# KiCad board BioAmp-EXG-Panel.kicad_pcb (continued)
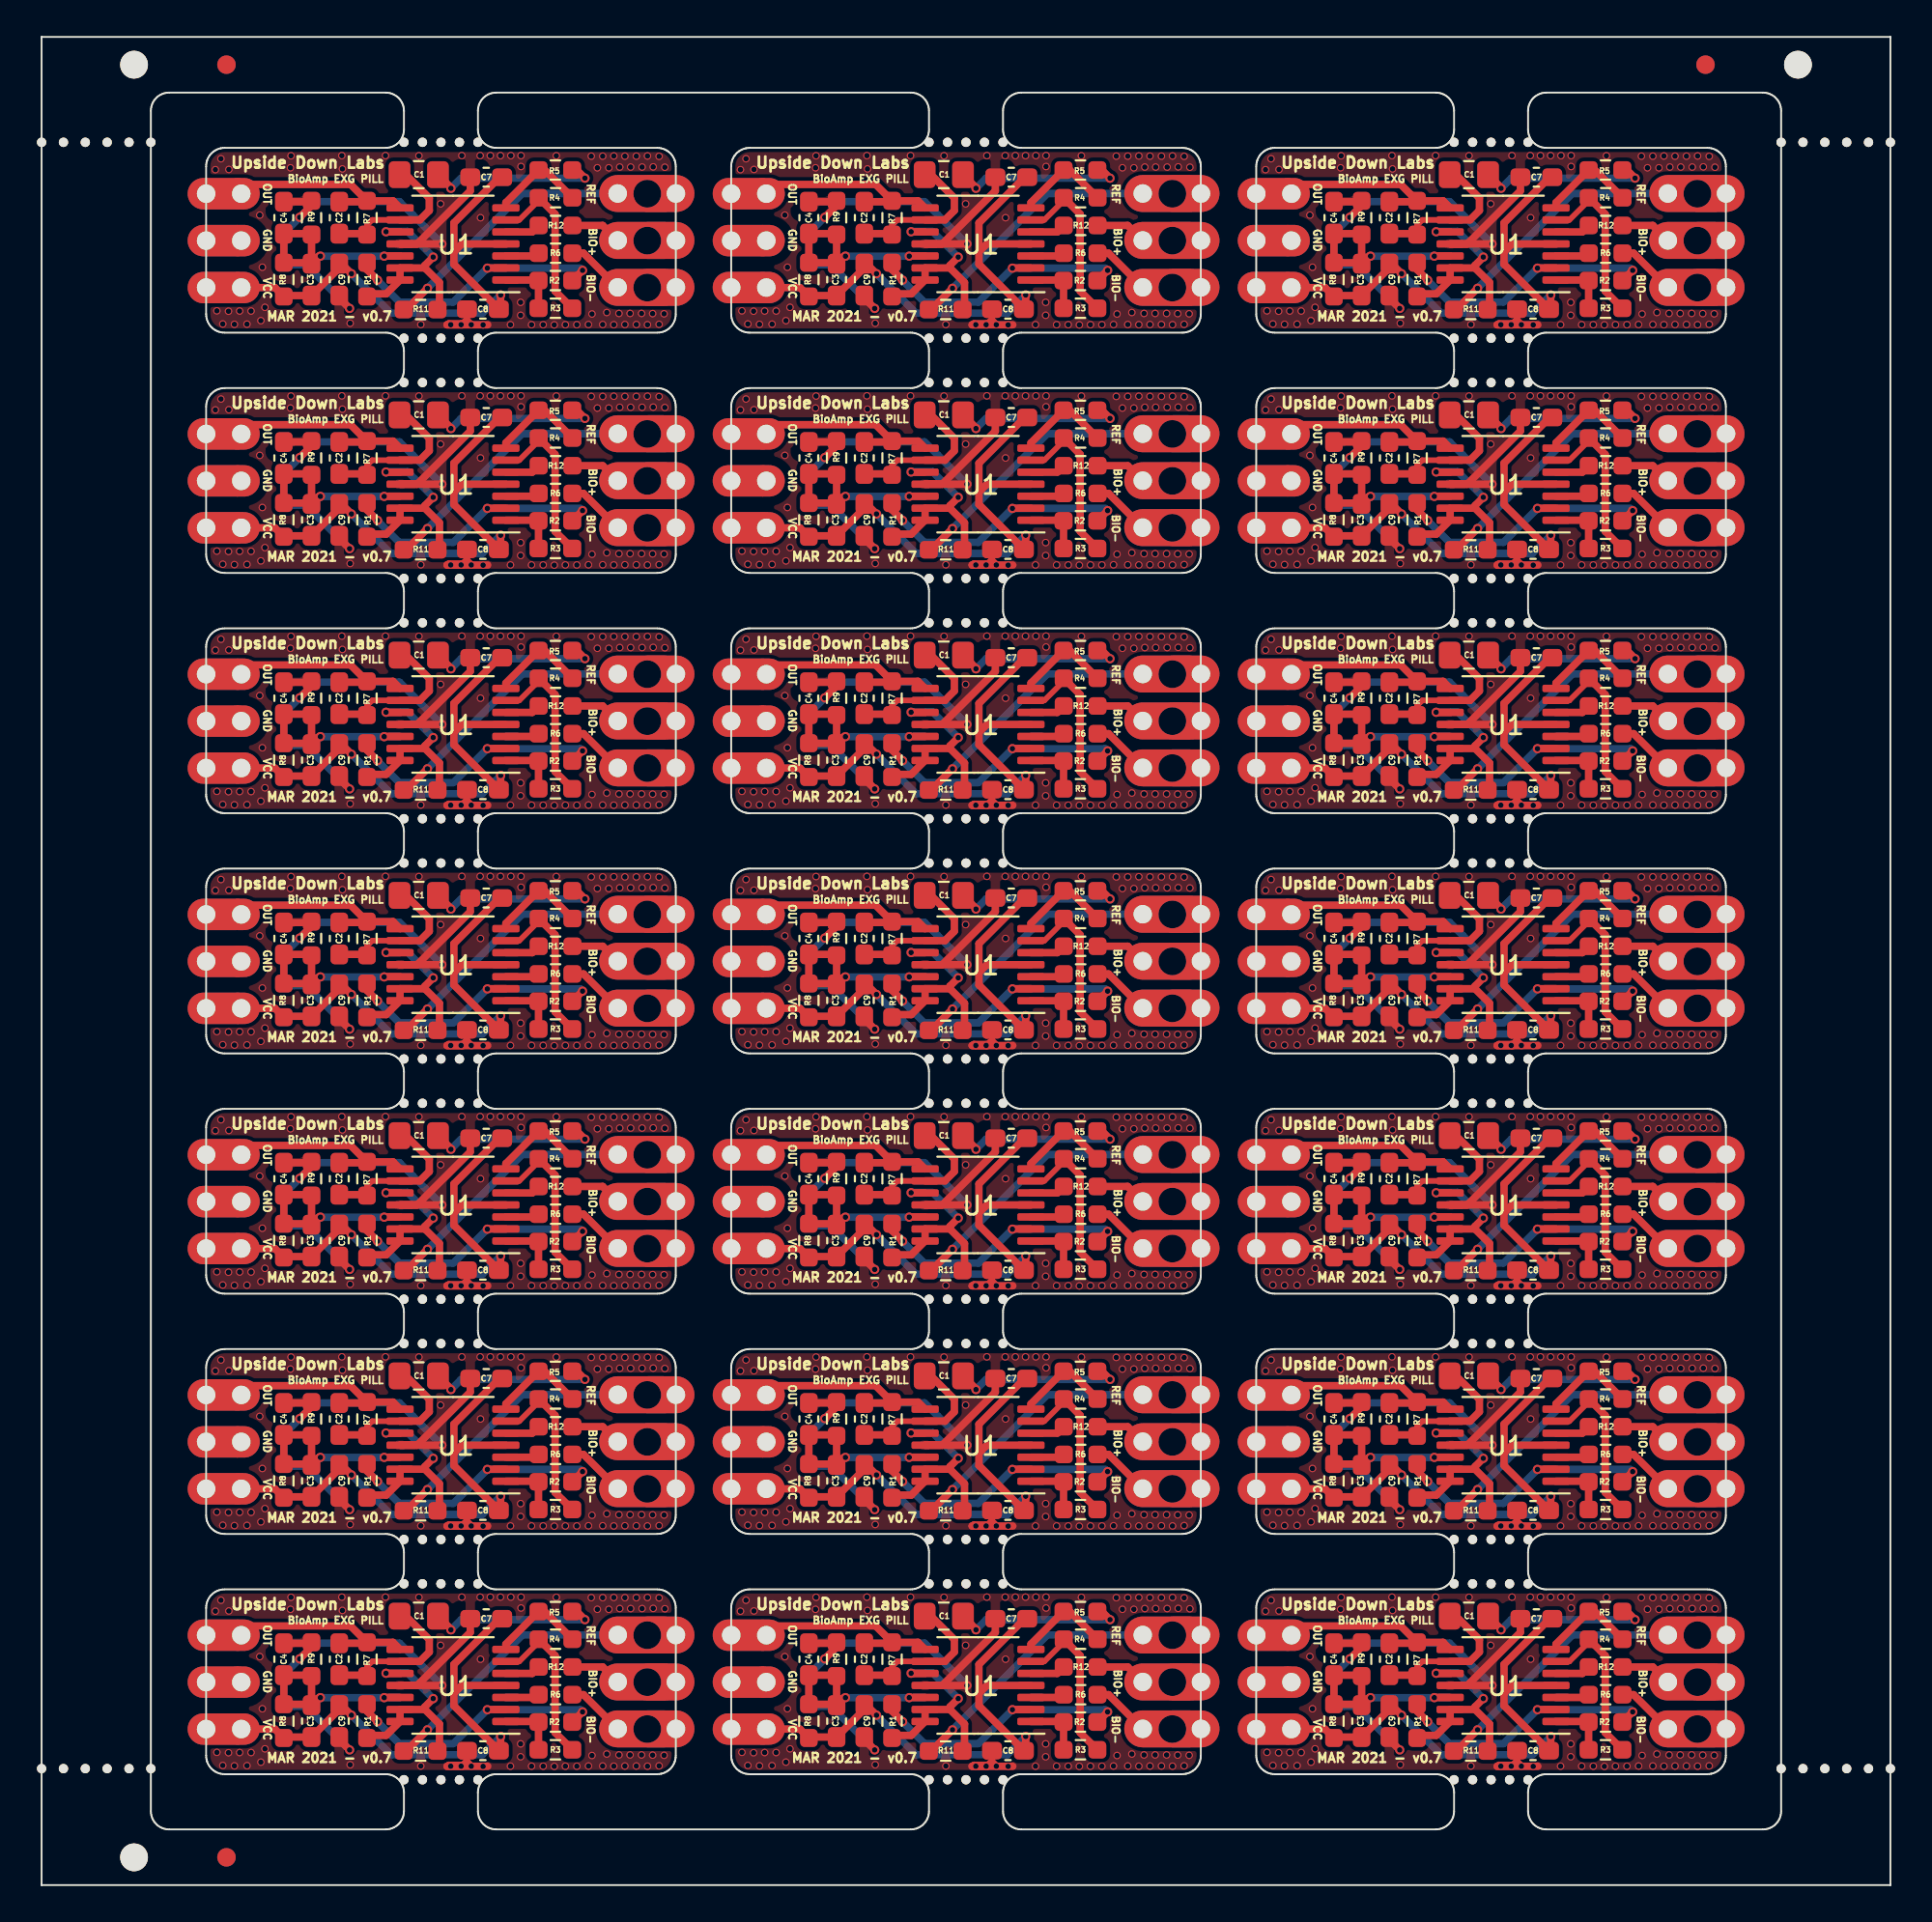
[diagram p0: board, top side]
## Placement (name value [footprint] x y rotation side) (continued)
J2#31  Conn_01x03  [PinHeader_1x03_P2.54mm_Vertical]  8.9 26.52 0 top
J2#32  Conn_01x03  [PinHeader_1x03_P2.54mm_Vertical#4]  10.8 26.52 0 top
J2#33  Conn_01x03  [PinHeader_1x03_P2.54mm_Vertical]  37.3 26.52 0 top
J2#34  Conn_01x03  [PinHeader_1x03_P2.54mm_Vertical#4]  39.2 26.52 0 top
J2#35  Conn_01x03  [PinHeader_1x03_P2.54mm_Vertical]  65.7 26.52 0 top
J2#36  Conn_01x03  [PinHeader_1x03_P2.54mm_Vertical#4]  67.6 26.52 0 top
J2#37  Conn_01x03  [PinHeader_1x03_P2.54mm_Vertical]  8.9 13.52 0 top
J2#38  Conn_01x03  [PinHeader_1x03_P2.54mm_Vertical#4]  10.8 13.52 0 top
J2#39  Conn_01x03  [PinHeader_1x03_P2.54mm_Vertical]  37.3 13.52 0 top
J2#40  Conn_01x03  [PinHeader_1x03_P2.54mm_Vertical#4]  39.2 13.52 0 top
J2#41  Conn_01x03  [PinHeader_1x03_P2.54mm_Vertical]  65.7 13.52 0 top
J2#42  Conn_01x03  [PinHeader_1x03_P2.54mm_Vertical#4]  67.6 13.52 0 top
NOREF  -  [buzzard_labels]  25.56 91.55 0 bottom
NOREF#2  -  [buzzard_labels]  25.15 86.42 0 bottom
NOREF#3  -  [buzzard_labels]  25.02 88.98 0 bottom
NOREF#4  -  [buzzard_labels]  12.2 86.5 0 bottom
NOREF#5  -  [buzzard_labels]  12.2 89 0 bottom
NOREF#6  -  [buzzard_labels]  12.21 91.55 0 bottom
NOREF#7  -  [buzzard_labels]  53.96 91.55 0 bottom
NOREF#8  -  [buzzard_labels]  53.55 86.42 0 bottom
NOREF#9  -  [buzzard_labels]  53.42 88.98 0 bottom
NOREF#10  -  [buzzard_labels]  40.6 86.5 0 bottom
NOREF#11  -  [buzzard_labels]  40.6 89 0 bottom
NOREF#12  -  [buzzard_labels]  40.61 91.55 0 bottom
NOREF#13  -  [buzzard_labels]  82.36 91.55 0 bottom
NOREF#14  -  [buzzard_labels]  81.95 86.42 0 bottom
NOREF#15  -  [buzzard_labels]  81.82 88.98 0 bottom
NOREF#16  -  [buzzard_labels]  69 86.5 0 bottom
NOREF#17  -  [buzzard_labels]  69 89 0 bottom
NOREF#18  -  [buzzard_labels]  69.01 91.55 0 bottom
NOREF#19  -  [buzzard_labels]  25.56 78.55 0 bottom
NOREF#20  -  [buzzard_labels]  25.15 73.42 0 bottom
NOREF#21  -  [buzzard_labels]  25.02 75.98 0 bottom
NOREF#22  -  [buzzard_labels]  12.2 73.5 0 bottom
NOREF#23  -  [buzzard_labels]  12.2 76 0 bottom
NOREF#24  -  [buzzard_labels]  12.21 78.55 0 bottom
NOREF#25  -  [buzzard_labels]  53.96 78.55 0 bottom
NOREF#26  -  [buzzard_labels]  53.55 73.42 0 bottom
NOREF#27  -  [buzzard_labels]  53.42 75.98 0 bottom
NOREF#28  -  [buzzard_labels]  40.6 73.5 0 bottom
NOREF#29  -  [buzzard_labels]  40.6 76 0 bottom
NOREF#30  -  [buzzard_labels]  40.61 78.55 0 bottom
NOREF#31  -  [buzzard_labels]  82.36 78.55 0 bottom
NOREF#32  -  [buzzard_labels]  81.95 73.42 0 bottom
NOREF#33  -  [buzzard_labels]  81.82 75.98 0 bottom
NOREF#34  -  [buzzard_labels]  69 73.5 0 bottom
NOREF#35  -  [buzzard_labels]  69 76 0 bottom
NOREF#36  -  [buzzard_labels]  69.01 78.55 0 bottom
NOREF#37  -  [buzzard_labels]  25.56 65.55 0 bottom
NOREF#38  -  [buzzard_labels]  25.15 60.42 0 bottom
NOREF#39  -  [buzzard_labels]  25.02 62.98 0 bottom
NOREF#40  -  [buzzard_labels]  12.2 60.5 0 bottom
NOREF#41  -  [buzzard_labels]  12.2 63 0 bottom
NOREF#42  -  [buzzard_labels]  12.21 65.55 0 bottom
NOREF#43  -  [buzzard_labels]  53.96 65.55 0 bottom
NOREF#44  -  [buzzard_labels]  53.55 60.42 0 bottom
NOREF#45  -  [buzzard_labels]  53.42 62.98 0 bottom
NOREF#46  -  [buzzard_labels]  40.6 60.5 0 bottom
NOREF#47  -  [buzzard_labels]  40.6 63 0 bottom
NOREF#48  -  [buzzard_labels]  40.61 65.55 0 bottom
NOREF#49  -  [buzzard_labels]  82.36 65.55 0 bottom
NOREF#50  -  [buzzard_labels]  81.95 60.42 0 bottom
NOREF#51  -  [buzzard_labels]  81.82 62.98 0 bottom
NOREF#52  -  [buzzard_labels]  69 60.5 0 bottom
NOREF#53  -  [buzzard_labels]  69 63 0 bottom
NOREF#54  -  [buzzard_labels]  69.01 65.55 0 bottom
NOREF#55  -  [buzzard_labels]  25.56 52.55 0 bottom
NOREF#56  -  [buzzard_labels]  25.15 47.42 0 bottom
NOREF#57  -  [buzzard_labels]  25.02 49.98 0 bottom
NOREF#58  -  [buzzard_labels]  12.2 47.5 0 bottom
NOREF#59  -  [buzzard_labels]  12.2 50 0 bottom
NOREF#60  -  [buzzard_labels]  12.21 52.55 0 bottom
NOREF#61  -  [buzzard_labels]  53.96 52.55 0 bottom
NOREF#62  -  [buzzard_labels]  53.55 47.42 0 bottom
NOREF#63  -  [buzzard_labels]  53.42 49.98 0 bottom
NOREF#64  -  [buzzard_labels]  40.6 47.5 0 bottom
NOREF#65  -  [buzzard_labels]  40.6 50 0 bottom
NOREF#66  -  [buzzard_labels]  40.61 52.55 0 bottom
NOREF#67  -  [buzzard_labels]  82.36 52.55 0 bottom
NOREF#68  -  [buzzard_labels]  81.95 47.42 0 bottom
NOREF#69  -  [buzzard_labels]  81.82 49.98 0 bottom
NOREF#70  -  [buzzard_labels]  69 47.5 0 bottom
NOREF#71  -  [buzzard_labels]  69 50 0 bottom
NOREF#72  -  [buzzard_labels]  69.01 52.55 0 bottom
NOREF#73  -  [buzzard_labels]  25.56 39.55 0 bottom
NOREF#74  -  [buzzard_labels]  25.15 34.42 0 bottom
NOREF#75  -  [buzzard_labels]  25.02 36.98 0 bottom
NOREF#76  -  [buzzard_labels]  12.2 34.5 0 bottom
NOREF#77  -  [buzzard_labels]  12.2 37 0 bottom
NOREF#78  -  [buzzard_labels]  12.21 39.55 0 bottom
NOREF#79  -  [buzzard_labels]  53.96 39.55 0 bottom
NOREF#80  -  [buzzard_labels]  53.55 34.42 0 bottom
NOREF#81  -  [buzzard_labels]  53.42 36.98 0 bottom
NOREF#82  -  [buzzard_labels]  40.6 34.5 0 bottom
NOREF#83  -  [buzzard_labels]  40.6 37 0 bottom
NOREF#84  -  [buzzard_labels]  40.61 39.55 0 bottom
NOREF#85  -  [buzzard_labels]  82.36 39.55 0 bottom
NOREF#86  -  [buzzard_labels]  81.95 34.42 0 bottom
NOREF#87  -  [buzzard_labels]  81.82 36.98 0 bottom
NOREF#88  -  [buzzard_labels]  69 34.5 0 bottom
NOREF#89  -  [buzzard_labels]  69 37 0 bottom
NOREF#90  -  [buzzard_labels]  69.01 39.55 0 bottom
NOREF#91  -  [buzzard_labels]  25.56 26.55 0 bottom
NOREF#92  -  [buzzard_labels]  25.15 21.42 0 bottom
NOREF#93  -  [buzzard_labels]  25.02 23.98 0 bottom
NOREF#94  -  [buzzard_labels]  12.2 21.5 0 bottom
NOREF#95  -  [buzzard_labels]  12.2 24 0 bottom
NOREF#96  -  [buzzard_labels]  12.21 26.55 0 bottom
NOREF#97  -  [buzzard_labels]  53.96 26.55 0 bottom
NOREF#98  -  [buzzard_labels]  53.55 21.42 0 bottom
NOREF#99  -  [buzzard_labels]  53.42 23.98 0 bottom
NOREF#100  -  [buzzard_labels]  40.6 21.5 0 bottom
NOREF#101  -  [buzzard_labels]  40.6 24 0 bottom
NOREF#102  -  [buzzard_labels]  40.61 26.55 0 bottom
NOREF#103  -  [buzzard_labels]  82.36 26.55 0 bottom
NOREF#104  -  [buzzard_labels]  81.95 21.42 0 bottom
NOREF#105  -  [buzzard_labels]  81.82 23.98 0 bottom
NOREF#106  -  [buzzard_labels]  69 21.5 0 bottom
NOREF#107  -  [buzzard_labels]  69 24 0 bottom
NOREF#108  -  [buzzard_labels]  69.01 26.55 0 bottom
NOREF#109  -  [buzzard_labels]  25.56 13.55 0 bottom
NOREF#110  -  [buzzard_labels]  25.15 8.42 0 bottom
NOREF#111  -  [buzzard_labels]  25.02 10.98 0 bottom
NOREF#112  -  [buzzard_labels]  12.2 8.5 0 bottom
NOREF#113  -  [buzzard_labels]  12.2 11 0 bottom
NOREF#114  -  [buzzard_labels]  12.21 13.55 0 bottom
NOREF#115  -  [buzzard_labels]  53.96 13.55 0 bottom
NOREF#116  -  [buzzard_labels]  53.55 8.42 0 bottom
NOREF#117  -  [buzzard_labels]  53.42 10.98 0 bottom
NOREF#118  -  [buzzard_labels]  40.6 8.5 0 bottom
NOREF#119  -  [buzzard_labels]  40.6 11 0 bottom
NOREF#120  -  [buzzard_labels]  40.61 13.55 0 bottom
NOREF#121  -  [buzzard_labels]  82.36 13.55 0 bottom
NOREF#122  -  [buzzard_labels]  81.95 8.42 0 bottom
NOREF#123  -  [buzzard_labels]  81.82 10.98 0 bottom
NOREF#124  -  [buzzard_labels]  69 8.5 0 bottom
NOREF#125  -  [buzzard_labels]  69 11 0 bottom
NOREF#126  -  [buzzard_labels]  69.01 13.55 0 bottom
R1  10k  [R_0603_1608Metric_Pad0.98x0.95mm_HandSolder]  17.6 86.87 270 top
R1#2  10k  [R_0603_1608Metric_Pad0.98x0.95mm_HandSolder]  46 86.87 270 top
R1#3  10k  [R_0603_1608Metric_Pad0.98x0.95mm_HandSolder]  74.4 86.87 270 top
R1#4  10k  [R_0603_1608Metric_Pad0.98x0.95mm_HandSolder]  17.6 73.87 270 top
R1#5  10k  [R_0603_1608Metric_Pad0.98x0.95mm_HandSolder]  46 73.87 270 top
R1#6  10k  [R_0603_1608Metric_Pad0.98x0.95mm_HandSolder]  74.4 73.87 270 top
R1#7  10k  [R_0603_1608Metric_Pad0.98x0.95mm_HandSolder]  17.6 60.87 270 top
R1#8  10k  [R_0603_1608Metric_Pad0.98x0.95mm_HandSolder]  46 60.87 270 top
R1#9  10k  [R_0603_1608Metric_Pad0.98x0.95mm_HandSolder]  74.4 60.87 270 top
R1#10  10k  [R_0603_1608Metric_Pad0.98x0.95mm_HandSolder]  17.6 47.87 270 top
R1#11  10k  [R_0603_1608Metric_Pad0.98x0.95mm_HandSolder]  46 47.87 270 top
R1#12  10k  [R_0603_1608Metric_Pad0.98x0.95mm_HandSolder]  74.4 47.87 270 top
R1#13  10k  [R_0603_1608Metric_Pad0.98x0.95mm_HandSolder]  17.6 34.87 270 top
R1#14  10k  [R_0603_1608Metric_Pad0.98x0.95mm_HandSolder]  46 34.87 270 top
R1#15  10k  [R_0603_1608Metric_Pad0.98x0.95mm_HandSolder]  74.4 34.87 270 top
R1#16  10k  [R_0603_1608Metric_Pad0.98x0.95mm_HandSolder]  17.6 21.87 270 top
R1#17  10k  [R_0603_1608Metric_Pad0.98x0.95mm_HandSolder]  46 21.87 270 top
R1#18  10k  [R_0603_1608Metric_Pad0.98x0.95mm_HandSolder]  74.4 21.87 270 top
R1#19  10k  [R_0603_1608Metric_Pad0.98x0.95mm_HandSolder]  17.6 8.87 270 top
R1#20  10k  [R_0603_1608Metric_Pad0.98x0.95mm_HandSolder]  46 8.87 270 top
R1#21  10k  [R_0603_1608Metric_Pad0.98x0.95mm_HandSolder]  74.4 8.87 270 top
R2  1k  [R_0603_1608Metric_Pad0.98x0.95mm_HandSolder]  27.79 86.82 0 top
R2#2  1k  [R_0603_1608Metric_Pad0.98x0.95mm_HandSolder]  56.19 86.82 0 top
R2#3  1k  [R_0603_1608Metric_Pad0.98x0.95mm_HandSolder]  84.59 86.82 0 top
R2#4  1k  [R_0603_1608Metric_Pad0.98x0.95mm_HandSolder]  27.79 73.82 0 top
R2#5  1k  [R_0603_1608Metric_Pad0.98x0.95mm_HandSolder]  56.19 73.82 0 top
R2#6  1k  [R_0603_1608Metric_Pad0.98x0.95mm_HandSolder]  84.59 73.82 0 top
R2#7  1k  [R_0603_1608Metric_Pad0.98x0.95mm_HandSolder]  27.79 60.82 0 top
R2#8  1k  [R_0603_1608Metric_Pad0.98x0.95mm_HandSolder]  56.19 60.82 0 top
R2#9  1k  [R_0603_1608Metric_Pad0.98x0.95mm_HandSolder]  84.59 60.82 0 top
R2#10  1k  [R_0603_1608Metric_Pad0.98x0.95mm_HandSolder]  27.79 47.82 0 top
R2#11  1k  [R_0603_1608Metric_Pad0.98x0.95mm_HandSolder]  56.19 47.82 0 top
R2#12  1k  [R_0603_1608Metric_Pad0.98x0.95mm_HandSolder]  84.59 47.82 0 top
R2#13  1k  [R_0603_1608Metric_Pad0.98x0.95mm_HandSolder]  27.79 34.82 0 top
R2#14  1k  [R_0603_1608Metric_Pad0.98x0.95mm_HandSolder]  56.19 34.82 0 top
R2#15  1k  [R_0603_1608Metric_Pad0.98x0.95mm_HandSolder]  84.59 34.82 0 top
R2#16  1k  [R_0603_1608Metric_Pad0.98x0.95mm_HandSolder]  27.79 21.82 0 top
R2#17  1k  [R_0603_1608Metric_Pad0.98x0.95mm_HandSolder]  56.19 21.82 0 top
R2#18  1k  [R_0603_1608Metric_Pad0.98x0.95mm_HandSolder]  84.59 21.82 0 top
R2#19  1k  [R_0603_1608Metric_Pad0.98x0.95mm_HandSolder]  27.79 8.82 0 top
R2#20  1k  [R_0603_1608Metric_Pad0.98x0.95mm_HandSolder]  56.19 8.82 0 top
R2#21  1k  [R_0603_1608Metric_Pad0.98x0.95mm_HandSolder]  84.59 8.82 0 top
R3  1k  [R_0603_1608Metric_Pad0.98x0.95mm_HandSolder]  27.79 85.32 180 top
R3#2  1k  [R_0603_1608Metric_Pad0.98x0.95mm_HandSolder]  56.19 85.32 180 top
R3#3  1k  [R_0603_1608Metric_Pad0.98x0.95mm_HandSolder]  84.59 85.32 180 top
R3#4  1k  [R_0603_1608Metric_Pad0.98x0.95mm_HandSolder]  27.79 72.32 180 top
R3#5  1k  [R_0603_1608Metric_Pad0.98x0.95mm_HandSolder]  56.19 72.32 180 top
R3#6  1k  [R_0603_1608Metric_Pad0.98x0.95mm_HandSolder]  84.59 72.32 180 top
R3#7  1k  [R_0603_1608Metric_Pad0.98x0.95mm_HandSolder]  27.79 59.32 180 top
R3#8  1k  [R_0603_1608Metric_Pad0.98x0.95mm_HandSolder]  56.19 59.32 180 top
R3#9  1k  [R_0603_1608Metric_Pad0.98x0.95mm_HandSolder]  84.59 59.32 180 top
R3#10  1k  [R_0603_1608Metric_Pad0.98x0.95mm_HandSolder]  27.79 46.32 180 top
R3#11  1k  [R_0603_1608Metric_Pad0.98x0.95mm_HandSolder]  56.19 46.32 180 top
R3#12  1k  [R_0603_1608Metric_Pad0.98x0.95mm_HandSolder]  84.59 46.32 180 top
R3#13  1k  [R_0603_1608Metric_Pad0.98x0.95mm_HandSolder]  27.79 33.32 180 top
R3#14  1k  [R_0603_1608Metric_Pad0.98x0.95mm_HandSolder]  56.19 33.32 180 top
R3#15  1k  [R_0603_1608Metric_Pad0.98x0.95mm_HandSolder]  84.59 33.32 180 top
R3#16  1k  [R_0603_1608Metric_Pad0.98x0.95mm_HandSolder]  27.79 20.32 180 top
R3#17  1k  [R_0603_1608Metric_Pad0.98x0.95mm_HandSolder]  56.19 20.32 180 top
R3#18  1k  [R_0603_1608Metric_Pad0.98x0.95mm_HandSolder]  84.59 20.32 180 top
R3#19  1k  [R_0603_1608Metric_Pad0.98x0.95mm_HandSolder]  27.79 7.32 180 top
R3#20  1k  [R_0603_1608Metric_Pad0.98x0.95mm_HandSolder]  56.19 7.32 180 top
R3#21  1k  [R_0603_1608Metric_Pad0.98x0.95mm_HandSolder]  84.59 7.32 180 top
R4  10k  [R_0603_1608Metric_Pad0.98x0.95mm_HandSolder]  27.8 91.3 180 top
R4#2  10k  [R_0603_1608Metric_Pad0.98x0.95mm_HandSolder]  56.2 91.3 180 top
R4#3  10k  [R_0603_1608Metric_Pad0.98x0.95mm_HandSolder]  84.6 91.3 180 top
R4#4  10k  [R_0603_1608Metric_Pad0.98x0.95mm_HandSolder]  27.8 78.3 180 top
R4#5  10k  [R_0603_1608Metric_Pad0.98x0.95mm_HandSolder]  56.2 78.3 180 top
R4#6  10k  [R_0603_1608Metric_Pad0.98x0.95mm_HandSolder]  84.6 78.3 180 top
R4#7  10k  [R_0603_1608Metric_Pad0.98x0.95mm_HandSolder]  27.8 65.3 180 top
R4#8  10k  [R_0603_1608Metric_Pad0.98x0.95mm_HandSolder]  56.2 65.3 180 top
R4#9  10k  [R_0603_1608Metric_Pad0.98x0.95mm_HandSolder]  84.6 65.3 180 top
R4#10  10k  [R_0603_1608Metric_Pad0.98x0.95mm_HandSolder]  27.8 52.3 180 top
R4#11  10k  [R_0603_1608Metric_Pad0.98x0.95mm_HandSolder]  56.2 52.3 180 top
R4#12  10k  [R_0603_1608Metric_Pad0.98x0.95mm_HandSolder]  84.6 52.3 180 top
R4#13  10k  [R_0603_1608Metric_Pad0.98x0.95mm_HandSolder]  27.8 39.3 180 top
R4#14  10k  [R_0603_1608Metric_Pad0.98x0.95mm_HandSolder]  56.2 39.3 180 top
R4#15  10k  [R_0603_1608Metric_Pad0.98x0.95mm_HandSolder]  84.6 39.3 180 top
R4#16  10k  [R_0603_1608Metric_Pad0.98x0.95mm_HandSolder]  27.8 26.3 180 top
R4#17  10k  [R_0603_1608Metric_Pad0.98x0.95mm_HandSolder]  56.2 26.3 180 top
R4#18  10k  [R_0603_1608Metric_Pad0.98x0.95mm_HandSolder]  84.6 26.3 180 top
R4#19  10k  [R_0603_1608Metric_Pad0.98x0.95mm_HandSolder]  27.8 13.3 180 top
R4#20  10k  [R_0603_1608Metric_Pad0.98x0.95mm_HandSolder]  56.2 13.3 180 top
R4#21  10k  [R_0603_1608Metric_Pad0.98x0.95mm_HandSolder]  84.6 13.3 180 top
R5  1k  [R_0603_1608Metric_Pad0.98x0.95mm_HandSolder]  27.79 92.8 180 top
R5#2  1k  [R_0603_1608Metric_Pad0.98x0.95mm_HandSolder]  56.19 92.8 180 top
R5#3  1k  [R_0603_1608Metric_Pad0.98x0.95mm_HandSolder]  84.59 92.8 180 top
R5#4  1k  [R_0603_1608Metric_Pad0.98x0.95mm_HandSolder]  27.79 79.8 180 top
R5#5  1k  [R_0603_1608Metric_Pad0.98x0.95mm_HandSolder]  56.19 79.8 180 top
R5#6  1k  [R_0603_1608Metric_Pad0.98x0.95mm_HandSolder]  84.59 79.8 180 top
R5#7  1k  [R_0603_1608Metric_Pad0.98x0.95mm_HandSolder]  27.79 66.8 180 top
R5#8  1k  [R_0603_1608Metric_Pad0.98x0.95mm_HandSolder]  56.19 66.8 180 top
R5#9  1k  [R_0603_1608Metric_Pad0.98x0.95mm_HandSolder]  84.59 66.8 180 top
R5#10  1k  [R_0603_1608Metric_Pad0.98x0.95mm_HandSolder]  27.79 53.8 180 top
R5#11  1k  [R_0603_1608Metric_Pad0.98x0.95mm_HandSolder]  56.19 53.8 180 top
R5#12  1k  [R_0603_1608Metric_Pad0.98x0.95mm_HandSolder]  84.59 53.8 180 top
R5#13  1k  [R_0603_1608Metric_Pad0.98x0.95mm_HandSolder]  27.79 40.8 180 top
R5#14  1k  [R_0603_1608Metric_Pad0.98x0.95mm_HandSolder]  56.19 40.8 180 top
R5#15  1k  [R_0603_1608Metric_Pad0.98x0.95mm_HandSolder]  84.59 40.8 180 top
R5#16  1k  [R_0603_1608Metric_Pad0.98x0.95mm_HandSolder]  27.79 27.8 180 top
R5#17  1k  [R_0603_1608Metric_Pad0.98x0.95mm_HandSolder]  56.19 27.8 180 top
R5#18  1k  [R_0603_1608Metric_Pad0.98x0.95mm_HandSolder]  84.59 27.8 180 top
R5#19  1k  [R_0603_1608Metric_Pad0.98x0.95mm_HandSolder]  27.79 14.8 180 top
R5#20  1k  [R_0603_1608Metric_Pad0.98x0.95mm_HandSolder]  56.19 14.8 180 top
R5#21  1k  [R_0603_1608Metric_Pad0.98x0.95mm_HandSolder]  84.59 14.8 180 top
R6  100k  [R_0603_1608Metric_Pad0.98x0.95mm_HandSolder]  27.8 88.3 0 top
R6#2  100k  [R_0603_1608Metric_Pad0.98x0.95mm_HandSolder]  56.2 88.3 0 top
R6#3  100k  [R_0603_1608Metric_Pad0.98x0.95mm_HandSolder]  84.6 88.3 0 top
R6#4  100k  [R_0603_1608Metric_Pad0.98x0.95mm_HandSolder]  27.8 75.3 0 top
R6#5  100k  [R_0603_1608Metric_Pad0.98x0.95mm_HandSolder]  56.2 75.3 0 top
R6#6  100k  [R_0603_1608Metric_Pad0.98x0.95mm_HandSolder]  84.6 75.3 0 top
R6#7  100k  [R_0603_1608Metric_Pad0.98x0.95mm_HandSolder]  27.8 62.3 0 top
R6#8  100k  [R_0603_1608Metric_Pad0.98x0.95mm_HandSolder]  56.2 62.3 0 top
R6#9  100k  [R_0603_1608Metric_Pad0.98x0.95mm_HandSolder]  84.6 62.3 0 top
R6#10  100k  [R_0603_1608Metric_Pad0.98x0.95mm_HandSolder]  27.8 49.3 0 top
R6#11  100k  [R_0603_1608Metric_Pad0.98x0.95mm_HandSolder]  56.2 49.3 0 top
R6#12  100k  [R_0603_1608Metric_Pad0.98x0.95mm_HandSolder]  84.6 49.3 0 top
R6#13  100k  [R_0603_1608Metric_Pad0.98x0.95mm_HandSolder]  27.8 36.3 0 top
R6#14  100k  [R_0603_1608Metric_Pad0.98x0.95mm_HandSolder]  56.2 36.3 0 top
R6#15  100k  [R_0603_1608Metric_Pad0.98x0.95mm_HandSolder]  84.6 36.3 0 top
R6#16  100k  [R_0603_1608Metric_Pad0.98x0.95mm_HandSolder]  27.8 23.3 0 top
R6#17  100k  [R_0603_1608Metric_Pad0.98x0.95mm_HandSolder]  56.2 23.3 0 top
R6#18  100k  [R_0603_1608Metric_Pad0.98x0.95mm_HandSolder]  84.6 23.3 0 top
R6#19  100k  [R_0603_1608Metric_Pad0.98x0.95mm_HandSolder]  27.8 10.3 0 top
R6#20  100k  [R_0603_1608Metric_Pad0.98x0.95mm_HandSolder]  56.2 10.3 0 top
R6#21  100k  [R_0603_1608Metric_Pad0.98x0.95mm_HandSolder]  84.6 10.3 0 top
R7  1M  [R_0603_1608Metric_Pad0.98x0.95mm_HandSolder]  17.6 90.22 270 top
R7#2  1M  [R_0603_1608Metric_Pad0.98x0.95mm_HandSolder]  46 90.22 270 top
R7#3  1M  [R_0603_1608Metric_Pad0.98x0.95mm_HandSolder]  74.4 90.22 270 top
R7#4  1M  [R_0603_1608Metric_Pad0.98x0.95mm_HandSolder]  17.6 77.22 270 top
R7#5  1M  [R_0603_1608Metric_Pad0.98x0.95mm_HandSolder]  46 77.22 270 top
R7#6  1M  [R_0603_1608Metric_Pad0.98x0.95mm_HandSolder]  74.4 77.22 270 top
R7#7  1M  [R_0603_1608Metric_Pad0.98x0.95mm_HandSolder]  17.6 64.22 270 top
R7#8  1M  [R_0603_1608Metric_Pad0.98x0.95mm_HandSolder]  46 64.22 270 top
R7#9  1M  [R_0603_1608Metric_Pad0.98x0.95mm_HandSolder]  74.4 64.22 270 top
R7#10  1M  [R_0603_1608Metric_Pad0.98x0.95mm_HandSolder]  17.6 51.22 270 top
R7#11  1M  [R_0603_1608Metric_Pad0.98x0.95mm_HandSolder]  46 51.22 270 top
R7#12  1M  [R_0603_1608Metric_Pad0.98x0.95mm_HandSolder]  74.4 51.22 270 top
R7#13  1M  [R_0603_1608Metric_Pad0.98x0.95mm_HandSolder]  17.6 38.22 270 top
R7#14  1M  [R_0603_1608Metric_Pad0.98x0.95mm_HandSolder]  46 38.22 270 top
R7#15  1M  [R_0603_1608Metric_Pad0.98x0.95mm_HandSolder]  74.4 38.22 270 top
R7#16  1M  [R_0603_1608Metric_Pad0.98x0.95mm_HandSolder]  17.6 25.22 270 top
R7#17  1M  [R_0603_1608Metric_Pad0.98x0.95mm_HandSolder]  46 25.22 270 top
R7#18  1M  [R_0603_1608Metric_Pad0.98x0.95mm_HandSolder]  74.4 25.22 270 top
R7#19  1M  [R_0603_1608Metric_Pad0.98x0.95mm_HandSolder]  17.6 12.22 270 top
R7#20  1M  [R_0603_1608Metric_Pad0.98x0.95mm_HandSolder]  46 12.22 270 top
R7#21  1M  [R_0603_1608Metric_Pad0.98x0.95mm_HandSolder]  74.4 12.22 270 top
R8  10k  [R_0603_1608Metric_Pad0.98x0.95mm_HandSolder]  13.1 86.87 270 top
R8#2  10k  [R_0603_1608Metric_Pad0.98x0.95mm_HandSolder]  41.5 86.87 270 top
R8#3  10k  [R_0603_1608Metric_Pad0.98x0.95mm_HandSolder]  69.9 86.87 270 top
R8#4  10k  [R_0603_1608Metric_Pad0.98x0.95mm_HandSolder]  13.1 73.87 270 top
R8#5  10k  [R_0603_1608Metric_Pad0.98x0.95mm_HandSolder]  41.5 73.87 270 top
R8#6  10k  [R_0603_1608Metric_Pad0.98x0.95mm_HandSolder]  69.9 73.87 270 top
R8#7  10k  [R_0603_1608Metric_Pad0.98x0.95mm_HandSolder]  13.1 60.87 270 top
R8#8  10k  [R_0603_1608Metric_Pad0.98x0.95mm_HandSolder]  41.5 60.87 270 top
R8#9  10k  [R_0603_1608Metric_Pad0.98x0.95mm_HandSolder]  69.9 60.87 270 top
R8#10  10k  [R_0603_1608Metric_Pad0.98x0.95mm_HandSolder]  13.1 47.87 270 top
R8#11  10k  [R_0603_1608Metric_Pad0.98x0.95mm_HandSolder]  41.5 47.87 270 top
R8#12  10k  [R_0603_1608Metric_Pad0.98x0.95mm_HandSolder]  69.9 47.87 270 top
R8#13  10k  [R_0603_1608Metric_Pad0.98x0.95mm_HandSolder]  13.1 34.87 270 top
R8#14  10k  [R_0603_1608Metric_Pad0.98x0.95mm_HandSolder]  41.5 34.87 270 top
R8#15  10k  [R_0603_1608Metric_Pad0.98x0.95mm_HandSolder]  69.9 34.87 270 top
R8#16  10k  [R_0603_1608Metric_Pad0.98x0.95mm_HandSolder]  13.1 21.87 270 top
R8#17  10k  [R_0603_1608Metric_Pad0.98x0.95mm_HandSolder]  41.5 21.87 270 top
R8#18  10k  [R_0603_1608Metric_Pad0.98x0.95mm_HandSolder]  69.9 21.87 270 top
R8#19  10k  [R_0603_1608Metric_Pad0.98x0.95mm_HandSolder]  13.1 8.87 270 top
R8#20  10k  [R_0603_1608Metric_Pad0.98x0.95mm_HandSolder]  41.5 8.87 270 top
R8#21  10k  [R_0603_1608Metric_Pad0.98x0.95mm_HandSolder]  69.9 8.87 270 top
R9  10k  [R_0603_1608Metric_Pad0.98x0.95mm_HandSolder]  14.6 90.22 270 top
R9#2  10k  [R_0603_1608Metric_Pad0.98x0.95mm_HandSolder]  43 90.22 270 top
R9#3  10k  [R_0603_1608Metric_Pad0.98x0.95mm_HandSolder]  71.4 90.22 270 top
R9#4  10k  [R_0603_1608Metric_Pad0.98x0.95mm_HandSolder]  14.6 77.22 270 top
R9#5  10k  [R_0603_1608Metric_Pad0.98x0.95mm_HandSolder]  43 77.22 270 top
R9#6  10k  [R_0603_1608Metric_Pad0.98x0.95mm_HandSolder]  71.4 77.22 270 top
R9#7  10k  [R_0603_1608Metric_Pad0.98x0.95mm_HandSolder]  14.6 64.22 270 top
R9#8  10k  [R_0603_1608Metric_Pad0.98x0.95mm_HandSolder]  43 64.22 270 top
R9#9  10k  [R_0603_1608Metric_Pad0.98x0.95mm_HandSolder]  71.4 64.22 270 top
R9#10  10k  [R_0603_1608Metric_Pad0.98x0.95mm_HandSolder]  14.6 51.22 270 top
R9#11  10k  [R_0603_1608Metric_Pad0.98x0.95mm_HandSolder]  43 51.22 270 top
R9#12  10k  [R_0603_1608Metric_Pad0.98x0.95mm_HandSolder]  71.4 51.22 270 top
R9#13  10k  [R_0603_1608Metric_Pad0.98x0.95mm_HandSolder]  14.6 38.22 270 top
R9#14  10k  [R_0603_1608Metric_Pad0.98x0.95mm_HandSolder]  43 38.22 270 top
R9#15  10k  [R_0603_1608Metric_Pad0.98x0.95mm_HandSolder]  71.4 38.22 270 top
R9#16  10k  [R_0603_1608Metric_Pad0.98x0.95mm_HandSolder]  14.6 25.22 270 top
R9#17  10k  [R_0603_1608Metric_Pad0.98x0.95mm_HandSolder]  43 25.22 270 top
R9#18  10k  [R_0603_1608Metric_Pad0.98x0.95mm_HandSolder]  71.4 25.22 270 top
R9#19  10k  [R_0603_1608Metric_Pad0.98x0.95mm_HandSolder]  14.6 12.22 270 top
R9#20  10k  [R_0603_1608Metric_Pad0.98x0.95mm_HandSolder]  43 12.22 270 top
R9#21  10k  [R_0603_1608Metric_Pad0.98x0.95mm_HandSolder]  71.4 12.22 270 top
R11  100k  [R_0603_1608Metric_Pad0.98x0.95mm_HandSolder]  20.5 85.25 0 top
R11#2  100k  [R_0603_1608Metric_Pad0.98x0.95mm_HandSolder]  48.9 85.25 0 top
R11#3  100k  [R_0603_1608Metric_Pad0.98x0.95mm_HandSolder]  77.3 85.25 0 top
R11#4  100k  [R_0603_1608Metric_Pad0.98x0.95mm_HandSolder]  20.5 72.25 0 top
R11#5  100k  [R_0603_1608Metric_Pad0.98x0.95mm_HandSolder]  48.9 72.25 0 top
R11#6  100k  [R_0603_1608Metric_Pad0.98x0.95mm_HandSolder]  77.3 72.25 0 top
R11#7  100k  [R_0603_1608Metric_Pad0.98x0.95mm_HandSolder]  20.5 59.25 0 top
R11#8  100k  [R_0603_1608Metric_Pad0.98x0.95mm_HandSolder]  48.9 59.25 0 top
R11#9  100k  [R_0603_1608Metric_Pad0.98x0.95mm_HandSolder]  77.3 59.25 0 top
R11#10  100k  [R_0603_1608Metric_Pad0.98x0.95mm_HandSolder]  20.5 46.25 0 top
R11#11  100k  [R_0603_1608Metric_Pad0.98x0.95mm_HandSolder]  48.9 46.25 0 top
R11#12  100k  [R_0603_1608Metric_Pad0.98x0.95mm_HandSolder]  77.3 46.25 0 top
R11#13  100k  [R_0603_1608Metric_Pad0.98x0.95mm_HandSolder]  20.5 33.25 0 top
R11#14  100k  [R_0603_1608Metric_Pad0.98x0.95mm_HandSolder]  48.9 33.25 0 top
R11#15  100k  [R_0603_1608Metric_Pad0.98x0.95mm_HandSolder]  77.3 33.25 0 top
R11#16  100k  [R_0603_1608Metric_Pad0.98x0.95mm_HandSolder]  20.5 20.25 0 top
R11#17  100k  [R_0603_1608Metric_Pad0.98x0.95mm_HandSolder]  48.9 20.25 0 top
R11#18  100k  [R_0603_1608Metric_Pad0.98x0.95mm_HandSolder]  77.3 20.25 0 top
R11#19  100k  [R_0603_1608Metric_Pad0.98x0.95mm_HandSolder]  20.5 7.25 0 top
R11#20  100k  [R_0603_1608Metric_Pad0.98x0.95mm_HandSolder]  48.9 7.25 0 top
R11#21  100k  [R_0603_1608Metric_Pad0.98x0.95mm_HandSolder]  77.3 7.25 0 top
R12  100k  [R_0603_1608Metric_Pad0.98x0.95mm_HandSolder]  27.8 89.8 0 top
R12#2  100k  [R_0603_1608Metric_Pad0.98x0.95mm_HandSolder]  56.2 89.8 0 top
R12#3  100k  [R_0603_1608Metric_Pad0.98x0.95mm_HandSolder]  84.6 89.8 0 top
R12#4  100k  [R_0603_1608Metric_Pad0.98x0.95mm_HandSolder]  27.8 76.8 0 top
R12#5  100k  [R_0603_1608Metric_Pad0.98x0.95mm_HandSolder]  56.2 76.8 0 top
R12#6  100k  [R_0603_1608Metric_Pad0.98x0.95mm_HandSolder]  84.6 76.8 0 top
R12#7  100k  [R_0603_1608Metric_Pad0.98x0.95mm_HandSolder]  27.8 63.8 0 top
R12#8  100k  [R_0603_1608Metric_Pad0.98x0.95mm_HandSolder]  56.2 63.8 0 top
R12#9  100k  [R_0603_1608Metric_Pad0.98x0.95mm_HandSolder]  84.6 63.8 0 top
R12#10  100k  [R_0603_1608Metric_Pad0.98x0.95mm_HandSolder]  27.8 50.8 0 top
R12#11  100k  [R_0603_1608Metric_Pad0.98x0.95mm_HandSolder]  56.2 50.8 0 top
R12#12  100k  [R_0603_1608Metric_Pad0.98x0.95mm_HandSolder]  84.6 50.8 0 top
R12#13  100k  [R_0603_1608Metric_Pad0.98x0.95mm_HandSolder]  27.8 37.8 0 top
R12#14  100k  [R_0603_1608Metric_Pad0.98x0.95mm_HandSolder]  56.2 37.8 0 top
R12#15  100k  [R_0603_1608Metric_Pad0.98x0.95mm_HandSolder]  84.6 37.8 0 top
R12#16  100k  [R_0603_1608Metric_Pad0.98x0.95mm_HandSolder]  27.8 24.8 0 top
R12#17  100k  [R_0603_1608Metric_Pad0.98x0.95mm_HandSolder]  56.2 24.8 0 top
R12#18  100k  [R_0603_1608Metric_Pad0.98x0.95mm_HandSolder]  84.6 24.8 0 top
R12#19  100k  [R_0603_1608Metric_Pad0.98x0.95mm_HandSolder]  27.8 11.8 0 top
R12#20  100k  [R_0603_1608Metric_Pad0.98x0.95mm_HandSolder]  56.2 11.8 0 top
R12#21  100k  [R_0603_1608Metric_Pad0.98x0.95mm_HandSolder]  84.6 11.8 0 top
REF**  -  [Fiducial]  10 98.5 0 top
REF**#2  -  [Fiducial]  90 98.5 0 top
REF**#3  -  [Fiducial]  10 1.5 0 top
REF**#4  -  [NPTH]  5 98.5 0 top
REF**#5  -  [NPTH]  95 98.5 0 top
REF**#6  -  [NPTH]  5 1.5 0 top
REF**#7  -  [NPTH#2]  23.6 94.3 0 top
REF**#8  -  [NPTH#2]  22.6 94.3 0 top
REF**#9  -  [NPTH#2]  21.6 94.3 0 top
REF**#10  -  [NPTH#2]  20.6 94.3 0 top
REF**#11  -  [NPTH#2]  19.6 94.3 0 top
REF**#12  -  [NPTH#2]  19.6 83.7 0 top
REF**#13  -  [NPTH#2]  20.6 83.7 0 top
REF**#14  -  [NPTH#2]  21.6 83.7 0 top
REF**#15  -  [NPTH#2]  22.6 83.7 0 top
REF**#16  -  [NPTH#2]  23.6 83.7 0 top
REF**#17  -  [NPTH#2]  52 94.3 0 top
REF**#18  -  [NPTH#2]  51 94.3 0 top
REF**#19  -  [NPTH#2]  50 94.3 0 top
REF**#20  -  [NPTH#2]  49 94.3 0 top
REF**#21  -  [NPTH#2]  48 94.3 0 top
REF**#22  -  [NPTH#2]  48 83.7 0 top
REF**#23  -  [NPTH#2]  49 83.7 0 top
REF**#24  -  [NPTH#2]  50 83.7 0 top
REF**#25  -  [NPTH#2]  51 83.7 0 top
REF**#26  -  [NPTH#2]  52 83.7 0 top
REF**#27  -  [NPTH#2]  80.4 94.3 0 top
REF**#28  -  [NPTH#2]  79.4 94.3 0 top
REF**#29  -  [NPTH#2]  78.4 94.3 0 top
REF**#30  -  [NPTH#2]  77.4 94.3 0 top
REF**#31  -  [NPTH#2]  76.4 94.3 0 top
REF**#32  -  [NPTH#2]  76.4 83.7 0 top
REF**#33  -  [NPTH#2]  77.4 83.7 0 top
REF**#34  -  [NPTH#2]  78.4 83.7 0 top
REF**#35  -  [NPTH#2]  79.4 83.7 0 top
REF**#36  -  [NPTH#2]  80.4 83.7 0 top
REF**#37  -  [NPTH#2]  23.6 81.3 0 top
REF**#38  -  [NPTH#2]  22.6 81.3 0 top
REF**#39  -  [NPTH#2]  21.6 81.3 0 top
REF**#40  -  [NPTH#2]  20.6 81.3 0 top
REF**#41  -  [NPTH#2]  19.6 81.3 0 top
REF**#42  -  [NPTH#2]  19.6 70.7 0 top
REF**#43  -  [NPTH#2]  20.6 70.7 0 top
REF**#44  -  [NPTH#2]  21.6 70.7 0 top
REF**#45  -  [NPTH#2]  22.6 70.7 0 top
REF**#46  -  [NPTH#2]  23.6 70.7 0 top
REF**#47  -  [NPTH#2]  52 81.3 0 top
REF**#48  -  [NPTH#2]  51 81.3 0 top
REF**#49  -  [NPTH#2]  50 81.3 0 top
REF**#50  -  [NPTH#2]  49 81.3 0 top
REF**#51  -  [NPTH#2]  48 81.3 0 top
REF**#52  -  [NPTH#2]  48 70.7 0 top
REF**#53  -  [NPTH#2]  49 70.7 0 top
REF**#54  -  [NPTH#2]  50 70.7 0 top
REF**#55  -  [NPTH#2]  51 70.7 0 top
REF**#56  -  [NPTH#2]  52 70.7 0 top
REF**#57  -  [NPTH#2]  80.4 81.3 0 top
REF**#58  -  [NPTH#2]  79.4 81.3 0 top
REF**#59  -  [NPTH#2]  78.4 81.3 0 top
REF**#60  -  [NPTH#2]  77.4 81.3 0 top
REF**#61  -  [NPTH#2]  76.4 81.3 0 top
REF**#62  -  [NPTH#2]  76.4 70.7 0 top
REF**#63  -  [NPTH#2]  77.4 70.7 0 top
REF**#64  -  [NPTH#2]  78.4 70.7 0 top
REF**#65  -  [NPTH#2]  79.4 70.7 0 top
REF**#66  -  [NPTH#2]  80.4 70.7 0 top
REF**#67  -  [NPTH#2]  23.6 68.3 0 top
REF**#68  -  [NPTH#2]  22.6 68.3 0 top
REF**#69  -  [NPTH#2]  21.6 68.3 0 top
REF**#70  -  [NPTH#2]  20.6 68.3 0 top
REF**#71  -  [NPTH#2]  19.6 68.3 0 top
REF**#72  -  [NPTH#2]  19.6 57.7 0 top
REF**#73  -  [NPTH#2]  20.6 57.7 0 top
REF**#74  -  [NPTH#2]  21.6 57.7 0 top
REF**#75  -  [NPTH#2]  22.6 57.7 0 top
REF**#76  -  [NPTH#2]  23.6 57.7 0 top
REF**#77  -  [NPTH#2]  52 68.3 0 top
REF**#78  -  [NPTH#2]  51 68.3 0 top
REF**#79  -  [NPTH#2]  50 68.3 0 top
REF**#80  -  [NPTH#2]  49 68.3 0 top
REF**#81  -  [NPTH#2]  48 68.3 0 top
REF**#82  -  [NPTH#2]  48 57.7 0 top
REF**#83  -  [NPTH#2]  49 57.7 0 top
REF**#84  -  [NPTH#2]  50 57.7 0 top
REF**#85  -  [NPTH#2]  51 57.7 0 top
REF**#86  -  [NPTH#2]  52 57.7 0 top
REF**#87  -  [NPTH#2]  80.4 68.3 0 top
REF**#88  -  [NPTH#2]  79.4 68.3 0 top
REF**#89  -  [NPTH#2]  78.4 68.3 0 top
REF**#90  -  [NPTH#2]  77.4 68.3 0 top
REF**#91  -  [NPTH#2]  76.4 68.3 0 top
REF**#92  -  [NPTH#2]  76.4 57.7 0 top
REF**#93  -  [NPTH#2]  77.4 57.7 0 top
REF**#94  -  [NPTH#2]  78.4 57.7 0 top
REF**#95  -  [NPTH#2]  79.4 57.7 0 top
REF**#96  -  [NPTH#2]  80.4 57.7 0 top
REF**#97  -  [NPTH#2]  23.6 55.3 0 top
REF**#98  -  [NPTH#2]  22.6 55.3 0 top
REF**#99  -  [NPTH#2]  21.6 55.3 0 top
REF**#100  -  [NPTH#2]  20.6 55.3 0 top
REF**#101  -  [NPTH#2]  19.6 55.3 0 top
REF**#102  -  [NPTH#2]  19.6 44.7 0 top
REF**#103  -  [NPTH#2]  20.6 44.7 0 top
REF**#104  -  [NPTH#2]  21.6 44.7 0 top
REF**#105  -  [NPTH#2]  22.6 44.7 0 top
REF**#106  -  [NPTH#2]  23.6 44.7 0 top
REF**#107  -  [NPTH#2]  52 55.3 0 top
REF**#108  -  [NPTH#2]  51 55.3 0 top
REF**#109  -  [NPTH#2]  50 55.3 0 top
REF**#110  -  [NPTH#2]  49 55.3 0 top
REF**#111  -  [NPTH#2]  48 55.3 0 top
REF**#112  -  [NPTH#2]  48 44.7 0 top
REF**#113  -  [NPTH#2]  49 44.7 0 top
REF**#114  -  [NPTH#2]  50 44.7 0 top
REF**#115  -  [NPTH#2]  51 44.7 0 top
REF**#116  -  [NPTH#2]  52 44.7 0 top
REF**#117  -  [NPTH#2]  80.4 55.3 0 top
REF**#118  -  [NPTH#2]  79.4 55.3 0 top
REF**#119  -  [NPTH#2]  78.4 55.3 0 top
REF**#120  -  [NPTH#2]  77.4 55.3 0 top
REF**#121  -  [NPTH#2]  76.4 55.3 0 top
REF**#122  -  [NPTH#2]  76.4 44.7 0 top
REF**#123  -  [NPTH#2]  77.4 44.7 0 top
REF**#124  -  [NPTH#2]  78.4 44.7 0 top
REF**#125  -  [NPTH#2]  79.4 44.7 0 top
REF**#126  -  [NPTH#2]  80.4 44.7 0 top
REF**#127  -  [NPTH#2]  23.6 42.3 0 top
REF**#128  -  [NPTH#2]  22.6 42.3 0 top
REF**#129  -  [NPTH#2]  21.6 42.3 0 top
REF**#130  -  [NPTH#2]  20.6 42.3 0 top
REF**#131  -  [NPTH#2]  19.6 42.3 0 top
REF**#132  -  [NPTH#2]  19.6 31.7 0 top
REF**#133  -  [NPTH#2]  20.6 31.7 0 top
REF**#134  -  [NPTH#2]  21.6 31.7 0 top
REF**#135  -  [NPTH#2]  22.6 31.7 0 top
REF**#136  -  [NPTH#2]  23.6 31.7 0 top
REF**#137  -  [NPTH#2]  52 42.3 0 top
REF**#138  -  [NPTH#2]  51 42.3 0 top
REF**#139  -  [NPTH#2]  50 42.3 0 top
REF**#140  -  [NPTH#2]  49 42.3 0 top
REF**#141  -  [NPTH#2]  48 42.3 0 top
REF**#142  -  [NPTH#2]  48 31.7 0 top
REF**#143  -  [NPTH#2]  49 31.7 0 top
REF**#144  -  [NPTH#2]  50 31.7 0 top
REF**#145  -  [NPTH#2]  51 31.7 0 top
REF**#146  -  [NPTH#2]  52 31.7 0 top
REF**#147  -  [NPTH#2]  80.4 42.3 0 top
REF**#148  -  [NPTH#2]  79.4 42.3 0 top
REF**#149  -  [NPTH#2]  78.4 42.3 0 top
REF**#150  -  [NPTH#2]  77.4 42.3 0 top
REF**#151  -  [NPTH#2]  76.4 42.3 0 top
REF**#152  -  [NPTH#2]  76.4 31.7 0 top
REF**#153  -  [NPTH#2]  77.4 31.7 0 top
REF**#154  -  [NPTH#2]  78.4 31.7 0 top
REF**#155  -  [NPTH#2]  79.4 31.7 0 top
REF**#156  -  [NPTH#2]  80.4 31.7 0 top
REF**#157  -  [NPTH#2]  23.6 29.3 0 top
REF**#158  -  [NPTH#2]  22.6 29.3 0 top
REF**#159  -  [NPTH#2]  21.6 29.3 0 top
REF**#160  -  [NPTH#2]  20.6 29.3 0 top
REF**#161  -  [NPTH#2]  19.6 29.3 0 top
REF**#162  -  [NPTH#2]  19.6 18.7 0 top
REF**#163  -  [NPTH#2]  20.6 18.7 0 top
REF**#164  -  [NPTH#2]  21.6 18.7 0 top
REF**#165  -  [NPTH#2]  22.6 18.7 0 top
REF**#166  -  [NPTH#2]  23.6 18.7 0 top
REF**#167  -  [NPTH#2]  52 29.3 0 top
REF**#168  -  [NPTH#2]  51 29.3 0 top
REF**#169  -  [NPTH#2]  50 29.3 0 top
REF**#170  -  [NPTH#2]  49 29.3 0 top
REF**#171  -  [NPTH#2]  48 29.3 0 top
REF**#172  -  [NPTH#2]  48 18.7 0 top
REF**#173  -  [NPTH#2]  49 18.7 0 top
REF**#174  -  [NPTH#2]  50 18.7 0 top
REF**#175  -  [NPTH#2]  51 18.7 0 top
REF**#176  -  [NPTH#2]  52 18.7 0 top
REF**#177  -  [NPTH#2]  80.4 29.3 0 top
REF**#178  -  [NPTH#2]  79.4 29.3 0 top
REF**#179  -  [NPTH#2]  78.4 29.3 0 top
REF**#180  -  [NPTH#2]  77.4 29.3 0 top
REF**#181  -  [NPTH#2]  76.4 29.3 0 top
REF**#182  -  [NPTH#2]  76.4 18.7 0 top
REF**#183  -  [NPTH#2]  77.4 18.7 0 top
REF**#184  -  [NPTH#2]  78.4 18.7 0 top
REF**#185  -  [NPTH#2]  79.4 18.7 0 top
REF**#186  -  [NPTH#2]  80.4 18.7 0 top
REF**#187  -  [NPTH#2]  23.6 16.3 0 top
REF**#188  -  [NPTH#2]  22.6 16.3 0 top
REF**#189  -  [NPTH#2]  21.6 16.3 0 top
REF**#190  -  [NPTH#2]  20.6 16.3 0 top
REF**#191  -  [NPTH#2]  19.6 16.3 0 top
REF**#192  -  [NPTH#2]  19.6 5.7 0 top
